# Altium PCB S7CAS-PLEIADES-CARTE-MERE_P07 - BACKUP.PcbDoc (part 2 of 3) (continued)
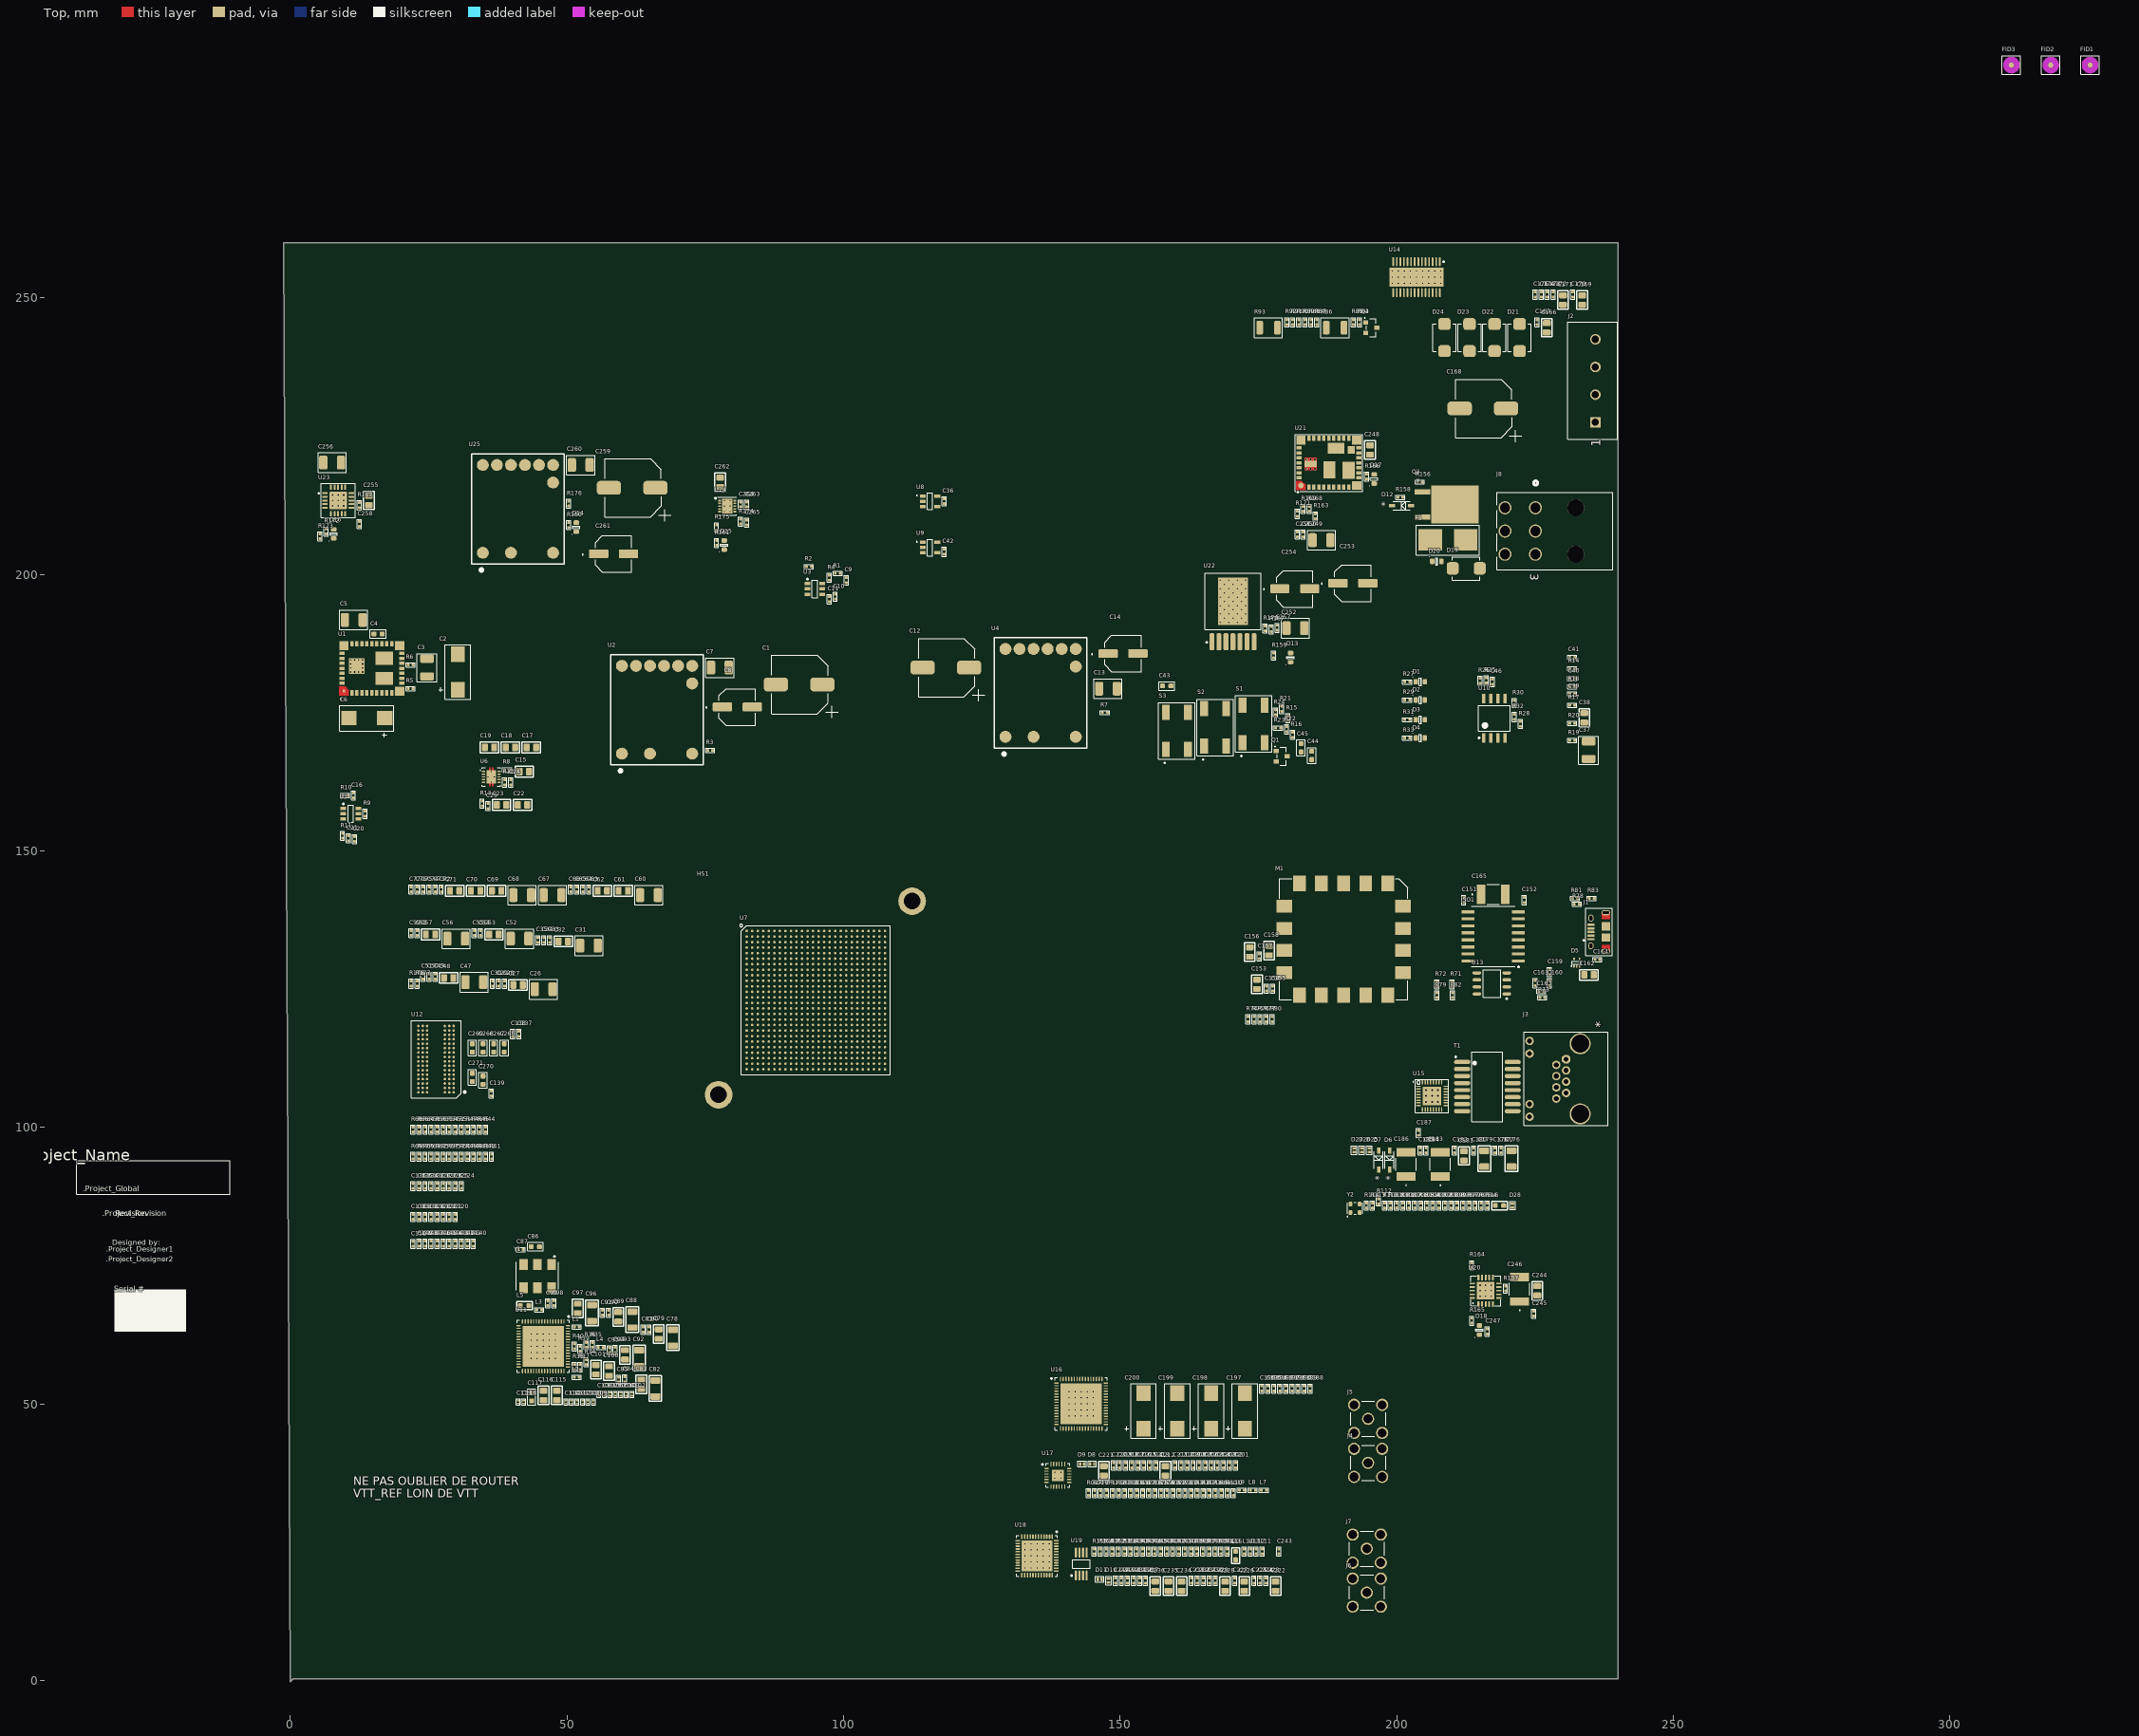
[diagram p0: Top view]
## Footprints (in the part's own frame and the unit in brackets; to place one, negate y for a bottom-side part, rotate by r counter-clockwise, add the part's x,y. Pads: shape width x height; smd on the part's side, far side on the other; paste and mask are expansions set on the pad) (continued)
  silkscreen extent -5.31,-6.98 4.5,7.01, body extent -4.5,-7 4.5,7, height 1.05
"MEM_FLASH_W25Q32JVSSIQ TR" [mm]
  rect 1.7x0.6 smd paste-0.05 mask+0.07: 1(-3.55,1.905) 2(-3.55,0.635) 3(-3.55,-0.635) 4(-3.55,-1.905) 5(3.55,-1.905) 6(3.55,-0.635) 7(3.55,0.635) 8(3.55,1.905)
  silkscreen extent -3.67,-2.85 2.3,2.88, body extent -3.95,-2.7 3.95,2.7, height 2.16
MOD_JTAG_410-357-B [mm]
  rect 2.3x2.8 smd paste-0.025 mask+0.07: 1(-8,-10.1) 2(-4,-10.1) 3(0,-10.1) 4(4,-10.1) 5(8,-10.1) 10(8,10.1) 11(4,10.1) 12(0,10.1) 13(-4,10.1) 14(-8,10.1)
  rect 2.8x2.3 smd paste-0.025 mask+0.07: 6(10.725,-6) 7(10.725,-2) 8(10.725,2) 9(10.725,6) 15(-10.725,6) 16(-10.725,2) 17(-10.725,-2) 18(-10.725,-6)
  silkscreen extent -11.57,-10.94 11.57,10.94, body extent -11.38,-10.75 11.38,10.75, height 2.5
OPAMP_AD8056ARMZ [mm] "SOP, 8-Leads, Body 3x3mm, Pitch 0.65mm, IPC Medium Density"
  oval 1.8x0.4 smd mask+0.07: 1(-2.075,0.975) 2(-2.075,0.325) 3(-2.075,-0.325) 4(-2.075,-0.975) 5(2.075,-0.975) 6(2.075,-0.325) 7(2.075,0.325) 8(2.075,0.975)
  silkscreen extent -2.2,-1.6 0.77,1.87, body extent -2.12,-1.53 2.07,1.52, height 1.3
OPAMP_ADA4927-2YCPZ-R2 [mm] "QFN, 24-Leads, Body 4,00x4,00mm, Pitch 0,50mm, Thermal Pad 2,10x2,10mm, IPC Low Density"
  oval 0.8x0.2 smd mask+0.075: 1(-2.05,1.25) 2(-2.05,0.75) 3(-2.05,0.25) 4(-2.05,-0.25) 5(-2.05,-0.75) 6(-2.05,-1.25) 13(2.05,-1.25) 14(2.05,-0.75) 15(2.05,-0.25) 16(2.05,0.25) 17(2.05,0.75) 18(2.05,1.25)
  oval 0.2x0.8 smd mask+0.075: 7(-1.25,-2.05) 8(-0.75,-2.05) 9(-0.25,-2.05) 10(0.25,-2.05) 11(0.75,-2.05) 12(1.25,-2.05) 19(1.25,2.05) 20(0.75,2.05) 21(0.25,2.05) 22(-0.25,2.05) 23(-0.75,2.05) 24(-1.25,2.05)
  rect 2.1x2.1 smd mask+0.075: PAD(0,0)
  silkscreen extent -2.92,-2.15 2.15,2.15, body extent -2,-2 2,2, height 1
OSC_590BD-BDG [mm]
  rect 1.95x1.55 smd paste-0.025 mask+0.07: 1(-2.1,2.54) 2(-2.1,0) 3(-2.1,-2.54) 4(2.1,-2.54) 5(2.1,0) 6(2.1,2.54)
  silkscreen extent -3.68,-3.81 2.54,3.81, body extent -2.54,-3.56 2.54,3.56, height 1.3
OSC_ASDMB-25.000MHZ-LC-T [mm]
  rrect50% 0.65x0.85 smd paste-0.025 mask+0.07: 1(-0.825,-0.775) 2(0.825,-0.775) 3(0.825,0.775) 4(-0.825,0.775)
  silkscreen extent -1.41,-1.56 1.35,1.1, body extent -1.25,-1 1.25,1, height 0.83
POW_MOTOR_DRV8811PWPR [mm] "TSOP, 28-Leads, Body 9,70x4,40mm, Pitch 0,65mm, Thermal Pad 9,70x3,40mm, IPC Medium Density"
  oval 1.6x0.3 smd: 1(-2.8,4.225) 2(-2.8,3.575) 3(-2.8,2.925) 4(-2.8,2.275) 5(-2.8,1.625) 6(-2.8,0.975) 7(-2.8,0.325) 8(-2.8,-0.325) 9(-2.8,-0.975) 10(-2.8,-1.625) 11(-2.8,-2.275) 12(-2.8,-2.925) 13(-2.8,-3.575) 14(-2.8,-4.225) 15(2.8,-4.225) 16(2.8,-3.575) 17(2.8,-2.925) 18(2.8,-2.275) 19(2.8,-1.625) 20(2.8,-0.975) 21(2.8,-0.325) 22(2.8,0.325) 23(2.8,0.975) 24(2.8,1.625) 25(2.8,2.275) 26(2.8,2.925) 27(2.8,3.575) 28(2.8,4.225)
  rect 3.4x9.7 smd paste-15 mask-15: PAD(0,0)
  silkscreen extent -2.92,4.8 -2.68,5.05, body extent -3.2,-4.9 3.2,4.9, height 1.2
POW_TPS3808G01DBVR [mm]
  rect 1.05x0.6 smd paste-0.025 mask+0.07: 1(-1.35,0.95) 2(-1.35,0) 3(-1.35,-0.95) 4(1.35,-0.95) 5(1.35,0) 6(1.35,0.95)
  silkscreen extent -1.47,-1.55 0.5,1.9, body extent -1.5,-1.53 1.5,1.53, height 1.45
REG_LDO_NCP59744MN1ADJTBG [mm]
  rect 0.55x0.3 smd paste-0.025 mask+0.04: 1(-1.375,1) 2(-1.375,0.5) 3(-1.375,0) 4(-1.375,-0.5) 5(-1.375,-1) 6(1.375,-1) 7(1.375,-0.5) 8(1.375,0) 9(1.375,0.5) 10(1.375,1)
  rect 1.9x2.64 smd paste-2.64 mask+0.03: 11(0,0)
  silkscreen extent -2.25,-1.65 1.65,1.65, body extent -1.5,-1.5 1.5,1.5, height 1
REG_LDO_TPS7A3301RGWR [mm]
  rrect50% 0.35x1 smd paste-0.025 mask+0.07: 1(-1.3,-2.4) 2(-0.65,-2.4) 3(0,-2.4) 4(0.65,-2.4) 5(1.3,-2.4) 11(1.3,2.4) 12(0.65,2.4) 13(0,2.4) 14(-0.65,2.4) 15(-1.3,2.4)
  rrect50% 0.95x0.3 smd paste-0.025 mask+0.07: 6(2.4,-1.3) 7(2.4,-0.65) 8(2.4,0) 9(2.4,0.65) 10(2.4,1.3) 16(-2.4,1.3) 17(-2.4,0.65) 18(-2.4,0) 19(-2.4,-0.65) 20(-2.4,-1.3)
  rect 3.15x3.15 smd paste-3.15 mask+0: 21(0,0)
  silkscreen extent -2.7,-3.14 2.7,2.7, body extent -2.51,-2.51 2.51,2.51, height 0.88
REG_PMIC_TPS51200DRCT [mm]
  rrect41% 0.6x0.24 smd mask+0.07: 1(-1.4,1) 2(-1.4,0.5) 3(-1.4,0) 4(-1.4,-0.5) 5(-1.4,-1) 6(1.4,-1) 7(1.4,-0.5) 8(1.4,0) 9(1.4,0.5) 10(1.4,1)
  rrect5% 1.65x2.4 smd paste-5 mask+0.07: 11(0,0)
  Top region: 0.175,-1.7 0.165,-1.7 0.147,-1.692 0.133,-1.678 0.125,-1.66 0.125,-1.65 0.125,-1.65 0.125,1.65 0.125,1.66 0.133,1.678 0.147,1.692 0.165,1.7 0.175,1.7 0.175,1.7 0.325,1.7 0.335,1.7 0.353,1.692 0.367,1.678 0.375,1.66 0.375,1.65 0.375,1.65 0.375,-1.65 0.375,-1.66 0.367,-1.678 0.353,-1.692 0.335,-1.7 0.325,-1.7 0.325,-1.7
  Top region: -0.325,-1.7 -0.335,-1.7 -0.353,-1.692 -0.367,-1.678 -0.375,-1.66 -0.375,-1.65 -0.375,-1.65 -0.375,1.65 -0.375,1.66 -0.367,1.678 -0.353,1.692 -0.335,1.7 -0.325,1.7 -0.325,1.7 -0.175,1.7 -0.165,1.7 -0.147,1.692 -0.133,1.678 -0.125,1.66 -0.125,1.65 -0.125,1.65 -0.125,-1.65 -0.125,-1.66 -0.133,-1.678 -0.147,-1.692 -0.165,-1.7 -0.175,-1.7 -0.175,-1.7
  silkscreen extent -2.05,-1.7 1.7,1.7, body extent -1.55,-1.55 1.55,1.55, height 1
REG_SWI_LMZ30606RKGT [mm] "LMZ30602RKGT"
  rect 0.5x0.5 smd paste-1 mask+0: 1(-5.05,-4.1)
  rect 0.6x0.95 smd paste-1 mask+0: 2(-3.6,-4.425) 3(-2.7,-4.425) 4(-1.8,-4.425) 5(-0.9,-4.425) 6(0,-4.425) 7(0.9,-4.425) 8(1.8,-4.425) 9(2.7,-4.425) 10(3.6,-4.425) 20(3.6,4.425) 21(2.7,4.425) 22(1.8,4.425) 23(0.9,4.425) 24(0,4.425) 25(-0.9,4.425) 26(-1.8,4.425) 27(-2.7,4.425) 28(-3.6,4.425)
  rect 1.7x1.6 smd paste-2 mask+0: 11(5.05,-4.1) 19(5.05,4.1) 29(-5.05,4.1)
  rect 0.95x0.6 smd paste-1 mask+0: 12(5.425,-2.7) 13(5.425,-1.8) 14(5.425,-0.9) 15(5.425,0) 16(5.425,0.9) 17(5.425,1.8) 18(5.425,2.7) 30(-5.425,2.7) 31(-5.425,1.8) 32(-5.425,0.9) 33(-5.425,0) 34(-5.425,-0.9) 35(-5.425,-1.8) 36(-5.425,-2.7)
  rect 2.8x2.8 smd paste-2 mask+0: 37(-2.75,0.45)
  round 0.5 hole 0.3 mask+0: 37_1(-3.85,-0.65) 37_2(-3.117,-0.65) 37_3(-2.384,-0.65) 37_4(-1.651,-0.65) 37_5(-3.85,0.083) 37_6(-1.651,0.083) 37_7(-3.85,0.816) 37_8(-1.651,0.816) 37_9(-3.85,1.549) 37_10(-3.117,1.549) 37_11(-2.384,1.549) 37_12(-1.651,1.549)
  rect 3.1x2.35 smd paste-3 mask+0: 38(2.25,-1.83) 39(2.25,1.84)
  Top region: -4.2,-3.91 -4.2,-4.9 -5.9,-4.9 -5.9,-3.3 -4.81,-3.3
  silkscreen extent -5.7,-5.6 -5.5,-5.4, body extent -5.5,-4.5 5.5,4.5, height 2.9
REG_SWR_LMZ23605TZE/NOPB [mm]
  rrect50% 0.89x3.06 smd paste+0 mask+0.07: 1(-3.81,-7.305) 2(-2.54,-7.305) 3(-1.27,-7.305) 4(0,-7.305) 5(1.27,-7.305) 6(2.54,-7.305) 7(3.81,-7.305)
  rect 5.35x8.54 smd paste-10 mask+0.07: 8(0,0)
  silkscreen extent -5.08,-7.53 5.08,5.08, body extent -5.11,-8.82 5.05,4.95, height 4.57
REG_SWR_LMZ34002RKGR [mm]
  round 1 smd paste-1.7 mask-1.7: 1(-5.05,-4.1)
  rect 0.6x0.95 smd paste-0.025 mask+0.07: 2(-3.6,-4.425) 3(-2.7,-4.425) 4(-1.8,-4.425) 5(-0.9,-4.425) 6(0,-4.425) 7(0.9,-4.425) 8(1.8,-4.425) 9(2.7,-4.425) 10(3.6,-4.425) 20(3.6,4.425) 21(2.7,4.425) 22(1.8,4.425) 23(0.9,4.425) 24(0,4.425) 25(-0.9,4.425) 26(-1.8,4.425) 27(-2.7,4.425) 28(-3.6,4.425)
  rect 1.7x1.6 smd paste-2 mask+0.07: 11(5.05,-4.1) 19(5.05,4.1) 29(-5.05,4.1)
  rect 0.95x0.6 smd paste-0.025 mask+0.07: 12(5.425,-2.7) 13(5.425,-1.8) 14(5.425,-0.9) 15(5.425,0) 16(5.425,0.9) 17(5.425,1.8) 18(5.425,2.7) 30(-5.425,2.7) 31(-5.425,1.8) 32(-5.425,0.9) 33(-5.425,0) 34(-5.425,-0.9) 35(-5.425,-1.8) 36(-5.425,-2.7)
  rect 2.25x1.1 smd paste-2 mask+0.07: 37(-3.3,-0.22)
  rect 2.2x3.1 smd paste-3.1 mask+0.07: 38(0.11,-1.3)
  rect 2.2x3.1 smd paste-3.1 mask+0.05: 39(3.59,-1.32)
  rect 1.24x1.4 smd paste-2 mask+0.05: 40(4.06,2.33)
  rect 3.05x2.04 smd paste-3.05 mask+0.05: 41(1.32,2.65)
  Top region: -4.425,-1.37 -2.175,-1.37 -2.175,0.93 -4.425,0.93
  Top region: -5.9,-4.9 -5.9,-3.3 -4.95,-3.3 -4.2,-3.95 -4.2,-4.9
  silkscreen extent -6.1,-5.4 6.1,5.1, body extent -5.55,-4.55 5.55,4.55, height 2.95
REG_SWR_PTH04T231WAZ [mil]
  round 85 smd paste+0 mask+2.76: 1(-312.5,250) 2(-312.5,50) 3(-312.5,-250) 4(187.5,-250) 5(312.5,-250) 6(312.5,-150) 7(312.5,-50) 8(312.5,50) 9(312.5,150) 10(312.5,250)
  silkscreen extent -445,-330 392,330, body extent -370,-310 376,310, height 325
REG_TPS7A4701RGWR [mm]
  rrect50% 1x0.35 smd paste-0.025 mask+0.07: 1(-2.4,1.3) 2(-2.4,0.65) 3(-2.4,0) 4(-2.4,-0.65) 5(-2.4,-1.3) 11(2.4,-1.3) 12(2.4,-0.65) 13(2.4,0) 14(2.4,0.65) 15(2.4,1.3)
  rrect50% 0.35x1 smd paste-0.025 mask+0.07: 6(-1.3,-2.4) 7(-0.65,-2.4) 8(0,-2.4) 9(0.65,-2.4) 10(1.3,-2.4) 16(1.3,2.4) 17(0.65,2.4) 18(0,2.4) 19(-0.65,2.4) 20(-1.3,2.4)
  rrect10% 3.15x3.15 smd paste-1.575 mask+0: E1(0,0)
  silkscreen extent -3.59,-3.1 3.1,3.1, body extent -2.62,-2.62 2.63,2.63, height 1
RES_0402 [mil]
  rrect60% 20x20 smd: 1(-17.5,0) 2(17.5,0)
  silkscreen extent -32,-15 32,15, body extent -23,-11 23,11, height 16
RES_1210 [mm]
  rrect50% 1.2x2.5 smd: 1(-1.6,0) 2(1.6,0)
  silkscreen extent -2.54,-1.78 2.54,1.78, body extent -1.6,-1.25 1.6,1.25, height 0.55
SEN_TEMP_TC74A0-3.3VCTTR [mm]
  rect 1.05x0.6 smd paste-0.05 mask+0.07: 1(-1.3,0.95) 2(-1.3,0) 3(-1.3,-0.95) 4(1.3,-0.95) 5(1.3,0.95)
  silkscreen extent -2.47,-1.5 0.48,1.5, body extent -1.6,-1.58 1.6,1.53, height 1.45
SOD123_DIO [mm]
  rect 1.111x0.601 smd paste+0 mask+0: 1(-1.725,0) 2(1.725,0)
  silkscreen extent -1.55,-0.8 1.55,0.8, body extent -1.93,-0.67 1.93,0.68, height 0.81
SWI_TACT_B3SN-3012P [mm]
  rect 2.75x1.4 smd paste-0.025 mask+0.07: 1(-3.375,2) 2(3.375,2) 3(-3.375,-2) 4(3.375,-2)
  silkscreen extent -5.9,-3.3 5.1,3.3, body extent -3.05,-3.05 3.05,3.05, height 3.2
THE_HS_ATS-CPX030030025-172-C1-R0 [mm]
  round 5 hole 3 paste-7.62 mask+0.07: 1(-17.5,-17.5) 2(17.5,17.5)
  body extent -21.49,-21.49 21.49,21.49, height 27.5
TIM_CDCE62005RGZT [mm] "QFN, 64-Leads, Body 9,00x9,00mm, Pitch 0,50mm, Thermal Pad 7,40x7,40mm, IPC Medium Density"
  oval 0.8x0.23 smd mask+0.07: 1(-4.475,3.75) 2(-4.475,3.25) 3(-4.475,2.75) 4(-4.475,2.25) 5(-4.475,1.75) 6(-4.475,1.25) 7(-4.475,0.75) 8(-4.475,0.25) 9(-4.475,-0.25) 10(-4.475,-0.75) 11(-4.475,-1.25) 12(-4.475,-1.75) 13(-4.475,-2.25) 14(-4.475,-2.75) 15(-4.475,-3.25) 16(-4.475,-3.75) 33(4.475,-3.75) 34(4.475,-3.25) 35(4.475,-2.75) 36(4.475,-2.25) 37(4.475,-1.75) 38(4.475,-1.25) 39(4.475,-0.75) 40(4.475,-0.25) 41(4.475,0.25) 42(4.475,0.75) 43(4.475,1.25) 44(4.475,1.75) 45(4.475,2.25) 46(4.475,2.75) 47(4.475,3.25) 48(4.475,3.75)
  oval 0.23x0.8 smd mask+0.07: 17(-3.75,-4.475) 18(-3.25,-4.475) 19(-2.75,-4.475) 20(-2.25,-4.475) 21(-1.75,-4.475) 22(-1.25,-4.475) 23(-0.75,-4.475) 24(-0.25,-4.475) 25(0.25,-4.475) 26(0.75,-4.475) 27(1.25,-4.475) 28(1.75,-4.475) 29(2.25,-4.475) 30(2.75,-4.475) 31(3.25,-4.475) 32(3.75,-4.475) 49(3.75,4.475) 50(3.25,4.475) 51(2.75,4.475) 52(2.25,4.475) 53(1.75,4.475) 54(1.25,4.475) 55(0.75,4.475) 56(0.25,4.475) 57(-0.25,4.475) 58(-0.75,4.475) 59(-1.25,4.475) 60(-1.75,4.475) 61(-2.25,4.475) 62(-2.75,4.475) 63(-3.25,4.475) 64(-3.75,4.475)
  rect 7.4x7.4 smd mask+0.07: PAD(0,0)
  silkscreen extent -5.5,-4.72 4.72,4.72, body extent -4.57,-4.57 4.57,4.57, height 1
TRANSFO_H1102NLT [mil]
  oval 115x30 smd: 1(-180,175) 2(-180,125) 3(-180,75) 4(-180,25) 5(-180,-25) 6(-180,-75) 7(-180,-125) 8(-180,-175) 9(180,-175) 10(180,-125) 11(180,-75) 12(180,-25) 13(180,25) 14(180,75) 15(180,125) 16(180,175)
  silkscreen extent -230,-248 110,248, body extent -175,-252 175,252, height 215
TRX_NMOS_SI324A-TP [mm]
  rrect20% 0.9x0.8 smd paste-0.025 mask+0.07: 1(-1,0.95) 2(-1,-0.95) 3(1,0)
  silkscreen extent -1.24,-1.65 0.84,1.79, body extent -1.32,-1.52 1.32,1.52, height 1.22
TRX_PMOS_IRFR9024TRPBF [mil] "D-PAK"
  rect 37x110 smd paste+0 mask+0: 1(-90.16,-229.5) 3(90.16,-229.5)
  rect 269x335 smd paste+0 mask+0: 2(0,2)
  body extent -133,-220 133,148, height 94
TVS_DATA_TPD1E1B04DPYR [mm]
  rrect25% 0.4x0.7 smd paste-0.025 mask+0.05: 1(-0.35,0) 2(0.35,0)
  silkscreen extent -0.75,-0.53 0.75,0.53, body extent -0.5,-0.3 0.5,0.3, height 0.45
TVS_PWR_SMBJ36CA [mm]
  rrect50% 2.16x2.26 smd paste+0 mask+0.102: 1(-2.45,0) 2(2.45,0)
  silkscreen extent -2.5,-2.1 2.5,2.1, body extent -2.6,-1.97 2.6,1.97, height 2.61
TVS_USB_TPD2E001DRLR [mm]
  rrect50% 0.45x0.3 smd paste-0.025 mask+0.05: 1(-0.675,0.5) 2(-0.675,0) 3(-0.675,-0.5) 4(0.675,-0.5) 5(0.675,0.5)
  silkscreen extent -0.73,-0.85 0.25,1.01, body extent -0.8,-0.8 0.8,0.8, height 0.49

## Part data
C1 C12 C259: library part CAP_ALU_MAL214699501E3, "CAP - ALU 330uF 20% 16V - 1010", Current=750mA, Package=1010, Supplier Part Number 1=4405PHCT-ND, Temperature="-55°C to 125°C", Voltage=16V, CreatedBy="Jonathan Bouchard", HelpURL=http://www.vishay.com/docs/28403/146cti.pdf, Mfg="Vishay Dale", Mfg Part Number=MAL214699501E3, Precision=20%, Supplier 1=Digikey
C2 C6: library part CAP_TANT_2917(D), "CAP - TANTALUM - 2917", Package=2917, Voltage=6.3V, CreatedBy="Jonathan Bouchard", Precision=10%
C3 C5 C7 C13 C252 C256 C260: Package=1210, Voltage=6.3V, CreatedBy="Jonathan Bouchard", Precision=10%
C4 C43 C44 C45 C86 C266 C267 C268 C269 C270 C271: Package=0603, Voltage=10V, CreatedBy="Jonathan Bouchard", Precision=10%
C8 C14 C261: library part CAP_ALU_EEH-ZS1H151P, "CAP ALUM 150UF 20% 16V SMD", Current=1.3A, Package=D8, Supplier Part Number 1=PCE4401CT-ND, Temperature="-55°C ~ 105°C", Voltage=16V, CreatedBy=Philippe, Precision=20%, Supplier 1=Digi-Key
C9 C10 C11 C16 C20 C21 C24 C36 C42 C46 C80 C81 C84 C85 C90 C91 C94 C95 C98 C99 C120 C121 C122 C123 C124 C125 C126 C127 C128 C129 C130 C131 C132 C133 C134 C135 C136 C137 C138 C139 C140 C141 C142 C143 C144 C145 C146 C147 C148 C149 C150 C151 C152 C154 C155 C157 C159 C160 C161 C163 C164 C167 C170 C173 C174 C175 C177 C178 C180 C182 C184 C185 C187 C188 C189 C190 C191 C192 C193 C194 C195 C196 C201 C202 C203 C204 C205 C206 C207 C208 C209 C210 C211 C224 C227 C241 C242 C243 C245 C247 C257 C258 C263 C264 C265: Package=0402, Voltage=50V, CreatedBy="Jonathan Bouchard", Precision=10%
  C9 C10 C16 C20 C24 C170 C173 C174 C175 C257 C258 C263 C264 C265: Mfg=C1005X7R1H102K050BA
C15: Package=0805, Voltage=50V, CreatedBy="Jonathan Bouchard", Precision=10%
C17 C18 C19 C22 C23 C79 C83 C89 C93 C97 C100 C101 C115 C116 C153 C156 C158 C162 C181 C212 C221 C222 C226 C228 C234 C235 C236 C244 C248 C255 C262: Package=0805, Voltage=10V, CreatedBy="Jonathan Bouchard", Mfg=CL21B106KPQNNNE, Precision=10%
  C100 C101: NI=DNI
C25 C172 C213 C214 C223 C225 C233 C237 C238 C239 C240: Mfg Part Number=CL05B104KO5NNNC, Package=0402, Voltage=16V, CreatedBy="Jonathan Bouchard", Precision=10%
C26 C31 C37 C47 C52 C56 C60 C67 C68: Package=1210, Voltage=6V3, CreatedBy="Jonathan Bouchard", Precision=10%
C27 C32 C38 C48 C53 C57 C61 C62 C69 C70 C71: Package=0805, Voltage=6V3, CreatedBy="Jonathan Bouchard", Precision=10%
C28 C29 C30 C33 C34 C35 C39 C40 C41 C49 C50 C51 C54 C55 C58 C59 C63 C64 C65 C66 C72 C73 C74 C75 C76 C77: Package=0402, Voltage=6V3, CreatedBy="Jonathan Bouchard", Precision=10%
C78 C82 C88 C92 C96 C176 C179: Package=1206, Voltage=10V, CreatedBy="Jonathan Bouchard", Precision=10%
C87: Package=0402, Voltage=16V, CreatedBy="Jonathan Bouchard", Precision=10%
C102 C103 C104 C105 C106 C107 C108 C109 C110 C111 C112 C113 C114 C118 C119: Package=0201, Voltage=50V, CreatedBy="Jonathan Bouchard", Precision=10%
C117: Mfg Part Number=CC0603KRX5R8BB105, Package=0603, Voltage=25V, CreatedBy="Jonathan Bouchard", Precision=10%
C165 C183 C186: Mfg Part Number=1812HC102MAT1A, Package=1812, Voltage=3kV, CreatedBy="Jonathan Bouchard", Precision=10%
C166 C169 C171: Mfg Part Number=CL21B224KBFNNNE, Package=0805, Voltage=50V, CreatedBy="Jonathan Bouchard", Precision=10%
C168: library part CAP_ALU_MAL215099101E3, "CAP - ALU 100uF 20% 50V - 1010", Current=490mA, Package=1010, Supplier Part Number 1=4399PHDKR-ND, Temperature="-55°C to 125°C", Voltage=50V, CreatedBy="Jonathan Bouchard", HelpURL=http://www.vishay.com/docs/28395/150crz.pdf, Mfg="Vishay Dale", Mfg Part Number=MAL215099101E3, Precision=20%, Supplier 1=Digikey
C197 C198 C199 C200: library part CAP_TANT_2917(D), "CAP - TANTALUM - 2917", Mfg Part Number=T491D106K025AT, Package=2917, Voltage=25V, CreatedBy="Jonathan Bouchard", Precision=10%
C215 C216 C217 C218 C219 C220 C229 C230 C231 C232: Mfg Part Number=CL05B103KB5NNNC, Package=0402, Temperature=X7R, Voltage=50V, CreatedBy="Jonathan Bouchard", Precision=10%
C246: Package=1812, Voltage=25V, CreatedBy="Jonathan Bouchard", Precision=10%
C249: Mfg Part Number=GRM32ER60J227ME05L, Package=1210, Voltage=6.3V, CreatedBy="Jonathan Bouchard", Precision=10%
C250 C251: Package=0402, Voltage=10V, CreatedBy="Jonathan Bouchard", Precision=10%
C253 C254: library part CAP_ALU_EEE-FNE181XUP, "CAP ALUM 180UF 25VDC 20% SMD", Current=1.3A, Package=D8, Supplier Part Number 1=71942218, Temperature="-55°C ~ 105°C", Voltage=25V, CreatedBy=Philippe, Precision=20%, Supplier 1="Allied Electronics"
D1 D2 D3 D4 D13 D14 D15 D16 D17 D18: library part LED_SML-311UTT86, "LED - 620nM RED 2mA - 0603", Current=2mA, Package=0603, Power=44mW, Supplier Part Number 1=511-1304-1-ND, Temperature="-30°C to 85°C", Voltage=1.8V, CreatedBy="Jonathan Bouchard", HelpURL=http://media.digikey.com/pdf/Data%20Sheets/Rohm%20PDFs/SML-311%20Series.pdf, Mfg="ROHM Semiconductor", Mfg Part Number=SML-311UTT86, Supplier 1=Digikey
D5: library part TVS_USB_TPD2E001DRLR, "TVS - USB TVS DIODE 5.5V - SOT-553", Manufacturer #1="Texas Instruments", Package=SOT-553, Supplier Part Number 1=296-21883-1-ND, Temperature="-40°C ~ 85°C (TA)", Voltage Rating="5.5V (Max)", Assembly Type=SMD, CreatedBy/Date="Jonathan Bouchard 2018-07-10", Cryo=UNKNOWN, GRAMS Lib Spec=2.8, HelpURL=http://www.ti.com/lit/ds/symlink/tpd2e001.pdf, Magnetic Material=YES, Part Number #1=TPD2E001DRLR, Polarized=YES, Supplier 1=Digi-Key, VerifiedBy="Arnaud Samson 16-07-18"
D6 D7: library part DIO_1N4148W-13-F, "1N4148", Built_By=EMA_UL_Team, Copyright="Copyright (C) 2018 Accelerated Designs. All rights reserved", Manufacturer_Part_Number=1N4148W-13-F, RefDes=RefDes, SourceLibrary=DiodesInc_2015-05-08, Type=DEV, Vendor="Diodes Inc"
D8 D9 D10 D11 D25 D26 D27 D28: library part TVS_DATA_TPD1E1B04DPYR, "TVS - TVS DIODE 3.6V 8.5V - 0402", Current Rating=6.3Apeak, Manufacturer #1="Texas Instruments", Package=0402, Power Max=50Wpeak, Supplier Part Number 1=296-47364-1-ND, Temperature="-40°C ~ 125°C (TA)", Voltage Rating=3.6V, Assembly Type=SMD, CreatedBy/Date="Keven Deslandes - 2018/10/19", Cryo=UNKNOWN, GRAMS Lib Spec=2.8, HelpURL=http://www.ti.com/lit/ds/symlink/tpd1e1b04.pdf, Magnetic Material=Unknown, Part Number #1=TPD1E1B04DPYR, Polarized=No, Supplier 1=Digi-Key, VerifiedBy="Caroline Paulin - 28 janv 2019"
D12: library part DIO_ZEN_BZT52C12-7-F, "Zener Diode 12V 500mW ±5% Surface Mount SOD-123", Built_By=EMA_UL_Team, Copyright="Copyright (C) 2018 Accelerated Designs. All rights reserved", Manufacturer_Part_Number=BZT52C12-7-F, RefDes=RefDes, SourceLibrary=DiodesInc_2015-05-08, Type=DEV, Vendor="Diodes Inc"
D19 D21 D22 D23 D24: library part TVS_PWR_SMBJ24CA, "TVS - 24V 26.7V 600W - DO214AA", Current Rating=15.5A, Manufacturer #1="Littelfuse Inc.", Package=DO214AA, Power Max=600W, Supplier Part Number 1=SMBJ24CALFCT-ND, Temperature="-65°C ~ 150°C (TJ)", Voltage Rating="24V Standoff", Assembly Type=SMD, CreatedBy/Date="Arnaud Samson - 06/07/18", Cryo=UNKNOWN, GRAMS Lib Spec=2.8, HelpURL=http://www.littelfuse.com/~/media/electronics/datasheets/tvs_diodes/littelfuse_tvs_diode_smbj_datasheet.pdf.pdf, Magnetic Material=UNKNOWN, Part Number #1=SMBJ24CA, Polarized=NO, Supplier 1=Digi-Key, VerifiedBy="Jonathan Bouchard - 2018-07-13"
D20: library part LED_SML-311DTT86, "LED - 611nM ORANGE 2mA - 0603", Current=2mA, Package=0603, Power=44mW, Supplier Part Number 1=511-1303-1-ND, Temperature="-40°C to 85°C", Voltage=1.8V, CreatedBy="Jonathan Bouchard", HelpURL=http://media.digikey.com/pdf/Data%20Sheets/Rohm%20PDFs/SML-311%20Series.pdf, Mfg="ROHM Semiconductor", Mfg Part Number=SML-311DTT86, Supplier 1=Digikey
F1: library part FUS_0154005.DR, "FUS - 5 A 125 VAC/VDC - 2-SMD", Current Rating=5A, Manufacturer #1="Littelfuse Inc.", Package=2-SMD, Supplier Part Number 1=F1228CT-ND, Temperature="-55°C ~ 125°C", Voltage Rating=125V, Assembly Type=SMD, CreatedBy/Date="Arnaud Samson - 06/07/18", Cryo=UNKNOWN, GRAMS Lib Spec=2.8, HelpURL=http://www.littelfuse.com/~/media/electronics/datasheets/fuses/littelfuse_fuse_154_154t_154l_154tl_datasheet.pdf.pdf, Magnetic Material=UNKNOWN, Part Number #1=0154005.DR, Polarized=NO, Supplier 1=Digi-Key, VerifiedBy="Jonathan Bouchard 2018-07-16"
FID1 FID2 FID3: library part FID_CIRCLE_1MM, "FID - FIDUCIAL 1MM CIRCLE DOUBLE-SIDED - 1MM", Package="1MM CIRCLE", Assembly Type=NONE, CreatedBy/Date="Jonathan Bouchard 2018-07-23", Cryo=UNKNOWN, GRAMS Lib Spec=2.8, HelpURL=https://www.pcb-3d.com/wordpress/wp-content/uploads/ipc-sm-782a_amendment_1_and_2.pdf, Magnetic Material=NO, VerifiedBy="Caroline Paulin - 25 juillet 2018"
HS1: library part THE_HS_ATS-CPX030030025-172-C1-R0, "THE_HS - Heat Sink 30x30x25 mm - TH", Power Max="5.71 °C/W @ 100LFM", Supplier Part Number 1=ATS35935-ND, HelpURL=https://www.digikey.ca/en/products/detail/advanced-thermal-solutions-inc/ATS-CPX030030025-172-C1-R0/4753835, Part Number #1=CPX030030025-172-C1-R0, Supplier 1=Digi-Key
ISO1: library part ISO_ADUM3160BRWZ-RL, "ISO - DGTL ISO 2.5KV 2CH USB - 16SOIC", Manufacturer #1="Analog Devices", Package=16-SOIC, Supplier Part Number 1=ADUM3160BRWZ-RLCT-ND, Temperature="-40°C ~ 105°C", Voltage Rating=3~5.5V, Assembly Type=SMD, CreatedBy/Date="Tommy Rossignol 2018-11-16", Cryo=UNKNOWN, GRAMS Lib Spec=2.8, HelpURL=https://www.analog.com/media/en/technical-documentation/data-sheets/ADuM3160.pdf, Magnetic Material=UNKNOWN, Part Number #1=ADUM3160BRWZ-RL, Polarized=Yes, Supplier 1=Digi-Key, VerifiedBy="Caroline Paulin - 13 février 2019"
J1: library part CON_USB_10118194-0001LF, "CON - USB MICRO B RECPT SMT R/A - 4PIN", Current Rating=1.8A, Manufacturer #1="Amphenol FCI", Package=5-SMD, Supplier Part Number 1=609-4618-1-ND, Temperature="-30°C ~ 80°C", Voltage Rating=100VAC, Assembly Type=SMD, CreatedBy/Date="Arnaud Samson - 09/07/18", Cryo=UNKNOWN, GRAMS Lib Spec=2.8, HelpURL=https://cdn.amphenol-icc.com/media/wysiwyg/files/drawing/10118194.pdf, Magnetic Material=YES, Part Number #1=10118194-0001LF, Polarized=YES, Supplier 1=Digi-Key, VerifiedBy="Jonathan Bouchard 2018-07-12"
J2: library part CONN_TERMINAL_OSTTC040162, "CONN -  TERMINAL BLOCK 4POS 5MM - TH", Package=TH-4, Supplier Part Number 1=ED2602-ND, Temperature="-30°C ~ 105°C", CreatedBy="Jonathan Bouchard", HelpURL=http://www.on-shore.com/wp-content/uploads/2015/09/osttcxx0162.pdf, Mfg="On Shore Technology Inc.", Mfg Part Number=OSTTC040162, Supplier 1=Digikey
J3: library part CONN_ETHERNET_RJHSE-5385, "CONN - MOD JACK RJ45 R/A ETHERNET - TH", Package=TH-12, Supplier Part Number 1=RJHSE-5385-ND, Temperature="-55°C ~ 85°C", CreatedBy="Jonathan Bouchard", HelpURL=https://www.amphenolcanada.com/ProductSearch/drawings/AC/RJHSE538X.pdf, Mfg=Amphenol, Mfg Part Number=RJHSE-5385, Supplier 1=Digikey
J4 J5 J6 J7: library part CONN_SMA_5-1814400-1, "CONN -  SMA JACK R/A 50 OHM - TH", Package=TH-5, Supplier Part Number 1=A97593-ND, Temperature="-55°C ~ 85°C", CreatedBy="Jonathan Bouchard", HelpURL=http://www.te.com/commerce/DocumentDelivery/DDEController?Action=srchrtrv&DocNm=1814400&DocType=Customer+Drawing&DocLang=English, Mfg="TE Connectivity AMP Connectors", Mfg Part Number=5-1814400-1, Supplier 1=Digikey
J8: library part CONN_MOL_39-30-1060, "CONN - MOLEX 6 PIN RA", Package=TH-6, Supplier Part Number 1=WM1353-ND, Temperature="-30°C ~ 105°C", CreatedBy="Philippe Arsenault / 2021-01-31", HelpURL=https://www.molex.com/pdm_docs/sd/039301060_sd.pdf, Mfg=Molex, Mfg Part Number=39-30-1060, Supplier 1=Digi-Key
L1 L2 L3 L4: Current=0.25A, Mfg Part Number=BLM15HD102SN1D, Package=0402, CreatedBy="Jonathan Bouchard"
L5: Current=3A, Mfg Part Number=BLM18KG101TN1D, Package=0603, CreatedBy="Jonathan Bouchard"
L6 L15: Current=3A, Package=0603, CreatedBy="Jonathan Bouchard"
L7 L8 L9 L10 L11 L12 L13 L14: Package=0402, CreatedBy="Jonathan Bouchard", Precision=5%
M1: library part MOD_JTAG_410-357-B, "MOD - JTAG-SMT3-NC Programming Module For Xilinx FPGA - 18-SMT", Manufacturer #1=Digilent, Package="18-pad SMT", Supplier Part Number 1=1286-1196-ND, Temperature="-40°C ~ 85°C", Voltage Rating="VDD: 2.97V~3.63V, VJTAG/VUART: 1.65V~5.5V", Assembly Type=SMD, CreatedBy/Date="Tommy Rossignol 2018-11-23", Cryo=UNKNOWN, GRAMS Lib Spec=2.8, HelpURL=https://reference.digilentinc.com/_media/reference/programmers/jtag-smt3/jtag-smt3-nc_rm.pdf, Magnetic Material=Unknown, Note="Prior to reflow, the JTAG-SMT3-NC module must be dried at 125°C for 17 hours", Part Number #1=410-357-B, Polarized=Yes, Supplier 1=Digi-Key, VerifiedBy="Nicolas V. (2019-01-28)"
Q1 Q2: library part TRX_NMOS_SI2324A-TP, "TRX - MOSFET N-CH 100V 2A - SOT-23", Current Rating=2A, Manufacturer #1="Micro Commercial Co", Package=SOT-23, Power Max=350mW, Supplier Part Number 1=SI2324A-TPMSCT-ND, Temperature="-55°C ~ 150°C (TJ)", Voltage Rating="100V (Vds max), 2V (Vgs @ 250uA)", Assembly Type=SMD, HelpURL=https://www.mccsemi.com/pdf/Products/SI2324A(SOT-23)-A.pdf, Magnetic Material=UNKNOWN, Part Number #1=SI2324A-TP, Polarized=Yes, Supplier 1=Digi-Key
Q3: library part TRX_PMOS_IRFR9024TRPBF, "TRX - MOSFET P-CH 60V 8.8A - Surface Mount D-Pak", Current Rating=8.8A, Manufacturer #1="Vishay Siliconix", Package=D-Pak, Power Max="2.5W (Ta), 42W (Tc)", Supplier Part Number 1=IRFR9024PBFCT-ND, Temperature="-55°C ~ 150°C (TJ)", Voltage Rating="60V (Vds max), 4V (Vgs @ 250uA)", Assembly Type=SMD, CreatedBy/Date="Philippe Arsenault / 2021-01-31", Cryo=UNKNOWN, GRAMS Lib Spec=2.8c, HelpURL=https://www.vishay.com/docs/91278/sihfr902.pdf, Magnetic Material=UNKNOWN, Part Number #1=IRFR9024TRPBF, Polarized=Yes, Supplier 1=Digi-Key
R1 R2 R3 R4 R5 R6 R7 R8 R9 R10 R11 R12 R13 R14 R15 R16 R17 R18 R19 R20 R21 R22 R23 R24 R25 R26 R27 R28 R29 R30 R31 R32 R33 R34 R35 R36 R37 R38 R39 R40 R41 R42 R43 R44 R45 R46 R47 R48 R49 R50 R51 R52 R53 R54 R55 R56 R57 R58 R59 R60 R61 R62 R63 R64 R65 R66 R67 R68 R69 R71 R72 R73 R74 R75 R76 R77 R78 R79 R80 R81 R82 R83 R84 R85 R87 R88 R89 R90 R91 R92 R94 R95 R96 R97 R98 R99 R100 R101 R102 R103 R104 R105 R106 R107 R108 R109 R110 R111 R112 R113 R114 R115 R116 R117 R118 R119 R120 R121 R122 R123 R124 R125 R126 R127 R128 R129 R130 R131 R132 R133 R134 R135 R136 R137 R138 R139 R140 R141 R142 R143 R144 R145 R146 R147 R148 R149 R150 R151 R152 R153 R154 R155 R156 R157 R158 R159 R160 R161 R162 R163 R164 R165 R166 R167 R168 R169 R170 R171 R172 R173 R174 R175 R176 R177 R178 RF1 RF2 RG1 RG2: Package=0402, Power=1/16W, Voltage=50V, CreatedBy="Jonathan Bouchard"
  R1 R2 R3 R4 R5 R6 R7 R8 R9 R10 R11 R12 R13 R14 R15 R16 R17 R18 R19 R20 R21 R22 R23 R24 R25 R26 R27 R28 R29 R30 R31 R32 R33 R34 R35 R36 R37 R39 R40 R41 R42 R43 R44 R45 R46 R47 R48 R49 R50 R51 R52 R53 R54 R55 R56 R57 R58 R59 R60 R61 R62 R63 R64 R65 R66 R67 R68 R69 R71 R72 R73 R74 R75 R76 R77 R78 R79 R80 R81 R82 R84 R85 R87 R88 R89 R90 R91 R92 R94 R95 R96 R97 R98 R99 R100 R101 R102 R103 R104 R105 R106 R107 R108 R109 R110 R111 R112 R113 R114 R115 R116 R117 R118 R119 R120 R121 R122 R123 R124 R125 R126 R127 R128 R129 R130 R131 R132 R133 R134 R135 R136 R137 R138 R139 R140 R141 R142 R143 R144 R145 R146 R147 R148 R149 R150 R151 R152 R153 R154 R155 R156 R157 R158 R159 R160 R161 R162 R163 R164 R165 R166 R168 R169 R171 R174 R175 R176 R177 RF1 RF2 RG1 RG2: Precision=1%
  R38 R178: NI=DNI, Precision=1%
  R83: Assembly Note=DNI, Precision=1%
  R167 R170 R172 R173: Precision=0.1%
R86 R93: Package=1210, Power=1/16W, CreatedBy="Jonathan Bouchard", Precision=1%
S1 S2 S3: library part SWI_TACT_B3SN-3012P_1, "SWI - SWITCH TACTILE SPST-NO 0.05A 24V -SMD", Current Rating=50mA, Manufacturer #1="Omron Electronics Inc-EMC Div", Package=SMD, Supplier Part Number 1=SW261CT-ND, Temperature="-25°C ~ 70°C", Voltage Rating=24VDC, Assembly Type=SMD, CreatedBy/Date="Olivier Bernard / 5/12/2017", Cryo=UNKNOWN, GRAMS Lib Spec=2.8, HelpURL=http://omronfs.omron.com/en_US/ecb/products/pdf/en-b3sn.pdf, Magnetic Material=UNKNOWN, Part Number #1=B3SN-3012P, Polarized=No, Supplier 1=Digi-Key, VerifiedBy="Caroline Paulin / 11 juillet 2018"
T1: library part TRANSFO_H1102NLT, "TRANSFO - ETHERNET 10/100B-TX - SMD-16", Package=SMD-16, Supplier Part Number 1=553-1532-1-ND, Temperature="-40°C to 85°C", CreatedBy="Jonathan Bouchard", HelpURL=http://media.digikey.com/pdf/Data%20Sheets/Pulse%20PDFs/10_100BASE-T%20Single%20Port%20SMD%20Magnetics_Rev2008.pdf, Mfg="Pulse Eng.", Mfg Part Number=H1102NLT, Supplier 1=Digikey
U1: library part REG_SWR_LMZ30602RKGT, "REG - DC DC Converter   / Non-Isolated  Output 0.8 ~ 3.6V 2A 2.95V - 6V Input", Current Rating=2A, Manufacturer #1="Texas Instruments", Package="39-BQFN Module", Power Max=7W, Supplier Part Number 1=296-37029-1-ND, Temperature="-40°C ~ 85°C", Voltage Rating=2.95-6V, Assembly Type=SMD, CreatedBy/Date="Philippe Arsenault/2021-02-01", Cryo=UNKNOWN, GRAMS Lib Spec=2.8c, HelpURL=https://www.ti.com/lit/ds/symlink/lmz30602.pdf?ts=1612193535337&ref_url=https%253A%252F%252Fwww.ti.com%252Fproduct%252FLMZ30602%253Futm_source%253Dgoogle%2526utm_medium%253Dcpc%2526utm_campaign%253Dapp-null-null-GPN_EN-cpc-pf-google-wwe%2526utm_content%253DLMZ30602%2526ds_k%253DLMZ30602%2526DCM%253Dyes%2526gclid%253DCj0KCQiA6t6ABhDMARIsAONIYywbX5HTDjPcy63-ILCw60ouTSqFGPALMyLaft3c1Oc_UEXWX4eCDSkaAiF9EALw_wcB%2526gclsrc%253Daw.ds, Magnetic Material=Unknown, Part Number #1=LMZ30602RKGT, Polarized=Yes, Supplier 1=Digi-Key
U2 U4 U25: library part REG_SWR_PTH04T231WAZ, "REG - MODULE PIP 6A 2.2V/5.5V - 10SMD", Current Rating="6A (out)", Manufacturer #1="Texas Instruments", Package=SMD, Supplier Part Number 1=296-21792-ND, Temperature="-40°C ~ 85°C", Voltage Rating="2.2-5.5V (Input)", Assembly Type=SMD, CreatedBy/Date="Olivier Bernard / 6/5/2018", Cryo=UNKNOWN, HelpURL=http://www.ti.com/lit/ds/symlink/pth04t231w.pdf, Magnetic Material=UNKNOWN, Part Number #1=PTH04T231WAZ, Polarized=Yes, Supplier 1=Digi-Key, VerifiedBy="Caroline Paulin / 10 juillet 2018"
U3 U5: library part POW_TPS3808G01DBVR, "POW - Programmable-Delay  Voltage Supervisory adj - SOT-23-6", Manufacturer #1="Texas Instruments", Package=SOT-23-6, Supplier Part Number 1=296-17188-1-ND, Temperature="-40°C ~ 125°C", Assembly Type=SMD, CreatedBy/Date="Joel Lemay 2018-11-13", Cryo=UNKNOWN, GRAMS Lib Spec=2.8, HelpURL=http://www.ti.com/lit/ds/symlink/tps3808.pdf, Magnetic Material=Unknown, Part Number #1=TPS3808G01DBVR, Polarized=Yes, Supplier 1=Digi-Key, VerifiedBy="Caroline Paulin - 22/11/2018"
U6: library part REG_PMIC_TPS51200DRCT, "REG - DDR TERMINATION/REF REG - 10-VFDFN", Current Rating="Source: 3A~4.5A, Sink: 3.5A~5.5A", Manufacturer #1="Texas Instruments", Package=10-VFDFN, Supplier Part Number 1=296-23830-1-ND, Temperature="-40°C ~ 85°C", Voltage Rating="2.375V ~ 3.5V", Assembly Type=SMD, CreatedBy/Date="Joel Lemay 2019-03-19", Cryo=UNKNOWN, GRAMS Lib Spec=2.8, HelpURL=http://www.ti.com/lit/ds/symlink/tps51200.pdf, Magnetic Material=Unknown, Part Number #1=TPS51200DRCT, Polarized=Yes, Supplier 1=Digi-Key, VerifiedBy="Nicolas V. (2019-05-31)"
U7: library part FPGA_XC6SLX100-3FGG676C, "FPGA - XILINX SPARTAN 6 480 I/O - BGA-676", Package=BGA-676, Supplier Part Number 1=122-1760-ND, Temperature="0°C ~ 85°C (TJ)", Voltage="1.14 V ~ 1.26 V", CreatedBy="Jonathan Bouchard", HelpURL=https://www.xilinx.com/support/documentation/data_sheets/ds162.pdf, Mfg=Xilinx, Mfg Part Number=XC6SLX100-3FGG676C, Supplier 1=Digikey
U8 U9: library part SENS_TEMP_TC74A0-3.3VCTTR, "SENS - TEMPERATURE SENSOR I2C/SMBUS - SOT23-5", Package=SOT23-5, Supplier Part Number 1=TC74A0-3.3VCTDKR-ND, Temperature="-40°C ~ 125°C", Voltage="2.7 V ~ 5.5 V", CreatedBy="Jonathan Bouchard", HelpURL=http://ww1.microchip.com/downloads/en/DeviceDoc/21462D.pdf, Mfg=Microchip, Mfg Part Number=TC74A0-3.3VCTTR, Precision="±2°C (±3°C)", Supplier 1=Digikey
U10: library part "MEM_FLASH_W25Q32JVSSIQ TR", "MEM - FLASH NOR 32Mb 133MHZ - 8-SOIC", Package=8-SOIC, Supplier Part Number 1=W25Q32JVSSIQCT-ND, Temperature="-40°C ~ 85°C (TA)", Voltage="2.7 V ~ 3.6 V", CreatedBy="Louis-Daniel Gaulin", HelpURL=https://www.winbond.com/resource-files/w25q32jv%20revg%2003272018%20plus.pdf, Mfg="Winbond Electronics", Mfg Part Number="W25Q32JVSSIQ TR", Supplier 1=Digikey
U11: library part TIM_CDCE62005RGZT, "TIM - CLK SYNTH JITTER CLEANER 3:5 - QFN-48", Package=QFN-48, Supplier Part Number 1=296-23947-1-ND, Temperature="-40°C ~ 85°C", Voltage="3 V ~ 3.6 V", CreatedBy="Jonathan Bouchard", HelpURL=http://www.ti.com/lit/ds/symlink/cdce62005.pdf, Mfg="Texas Instruments", Mfg Part Number=CDCE62005RGZT, Supplier 1=Digikey
U12: library part "MEM_DDR3_MT41J128M16JT-125:K TR", "MEM - DDR3 SDRAM 2GBIT 800MHZ - TFBGA-96", Package=TFBGA-96, Supplier Part Number 1=557-1611-1-ND, Temperature="0°C ~ 95°C (TC)", Voltage="1.425 V ~ 1.575 V", CreatedBy="Jonathan Bouchard", HelpURL=http://ww1.microchip.com/downloads/en/DeviceDoc/00002275A.pdf, Mfg=Micrel, Mfg Part Number=http://www.micron.com/~/media/Documents/Products/Data%20Sheet/DRAM/DDR3/2Gb_DDR3_SDRAM.pdf, Supplier 1=Digikey
U13: library part ISO_SI8620BB-B-IS, "ISO - Dual-Channel Digital Isolator (default Low) - 8-SOIC", Manufacturer #1="Silicon Labs", Package=8-SOIC, Supplier Part Number 1=336-2567-ND, Temperature="-40°C ~ 125°C", Voltage Rating=2.5-5.5V, Assembly Type=SMD, CreatedBy/Date="Joel Lemay 2018-06-05", Cryo=UNKNOWN, GRAMS Lib Spec=2.8, HelpURL=https://www.silabs.com/documents/public/data-sheets/si861x-2x-datasheet.pdf, Magnetic Material=Unknown, Part Number #1=SI8620BB-B-IS, Polarized=Yes, Supplier 1=Digi-Key, VerifiedBy="Caroline Paulin - 12 sept 2018"
U14: library part POW_MOTOR_DRV8811PWPR, "POW - STEPPER MOTOR DRIVER - SOP-28", Package=SOP-28, Supplier Part Number 1=296-24591-1-ND, Temperature="-40°C ~ 150°C (TJ)", Voltage="3 V ~ 5.5 V / 8 V ~ 38 V", CreatedBy="Jonathan Bouchard", HelpURL=http://www.ti.com/lit/ds/symlink/drv8811.pdf, Mfg="Texas Instrument", Mfg Part Number=DRV8811PWPR, Supplier 1=Digikey